# Altium PCB Ikea Environmental Sensor-Module.PcbDoc (part 1 of 2)
Units mm, origin at the board's own origin, x right, y up, seen from the top; angles counter-clockwise.
Board outline 20 x 74.75 mm, 4 copper layers (Top Layer, Mid Layer 1, Mid Layer 2, Bottom Layer), stack 1.57 mm thick; 89 components, 61 nets, 354 pads, 204 vias.
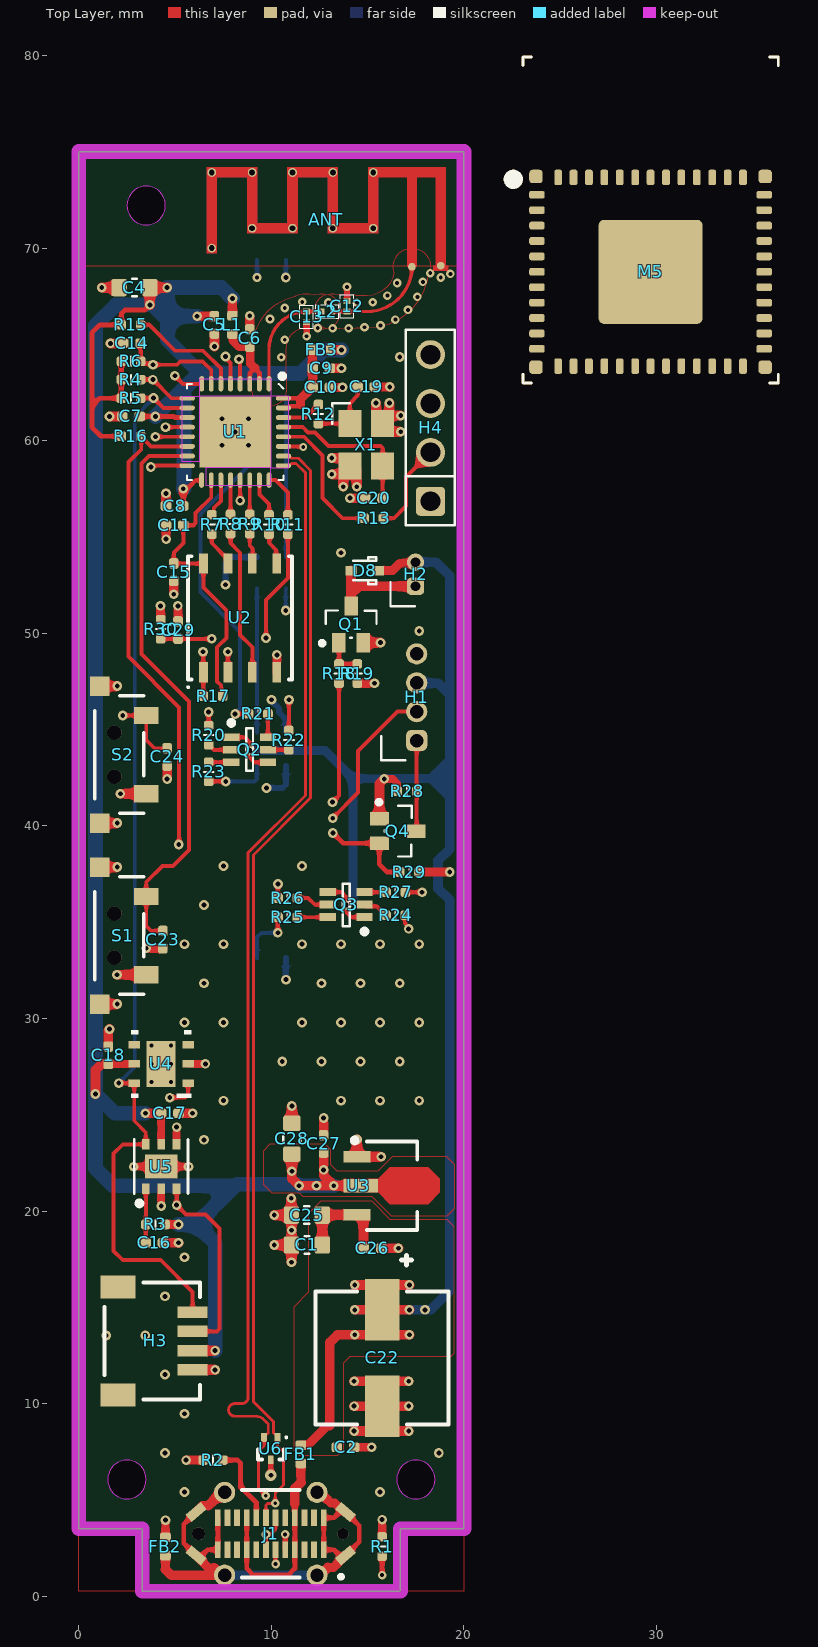
[diagram p0: Top Layer view]
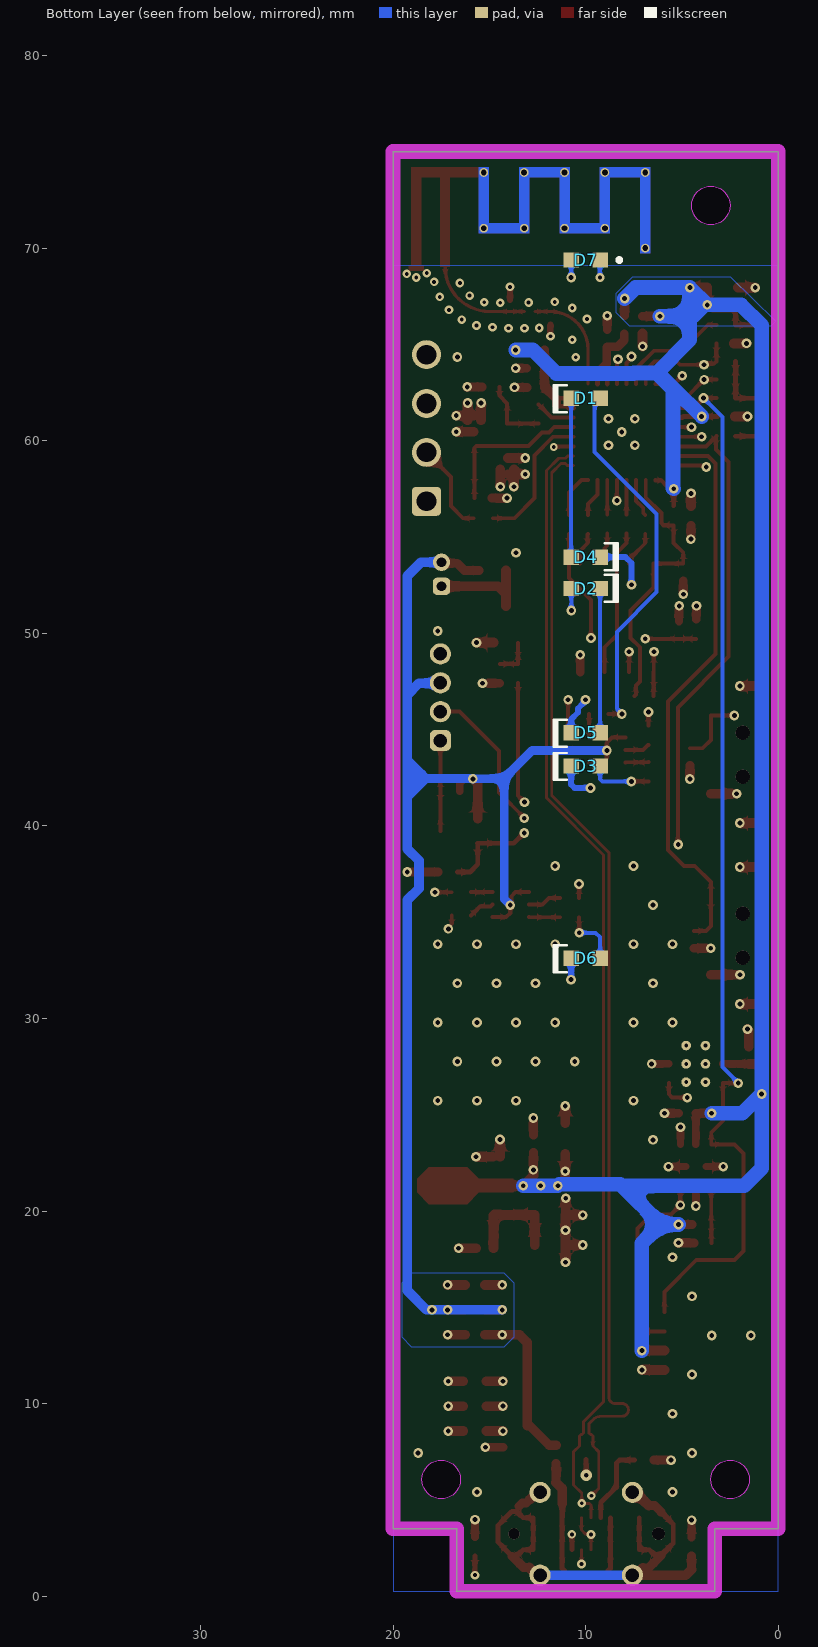
[diagram p1: Bottom Layer view, seen from below]
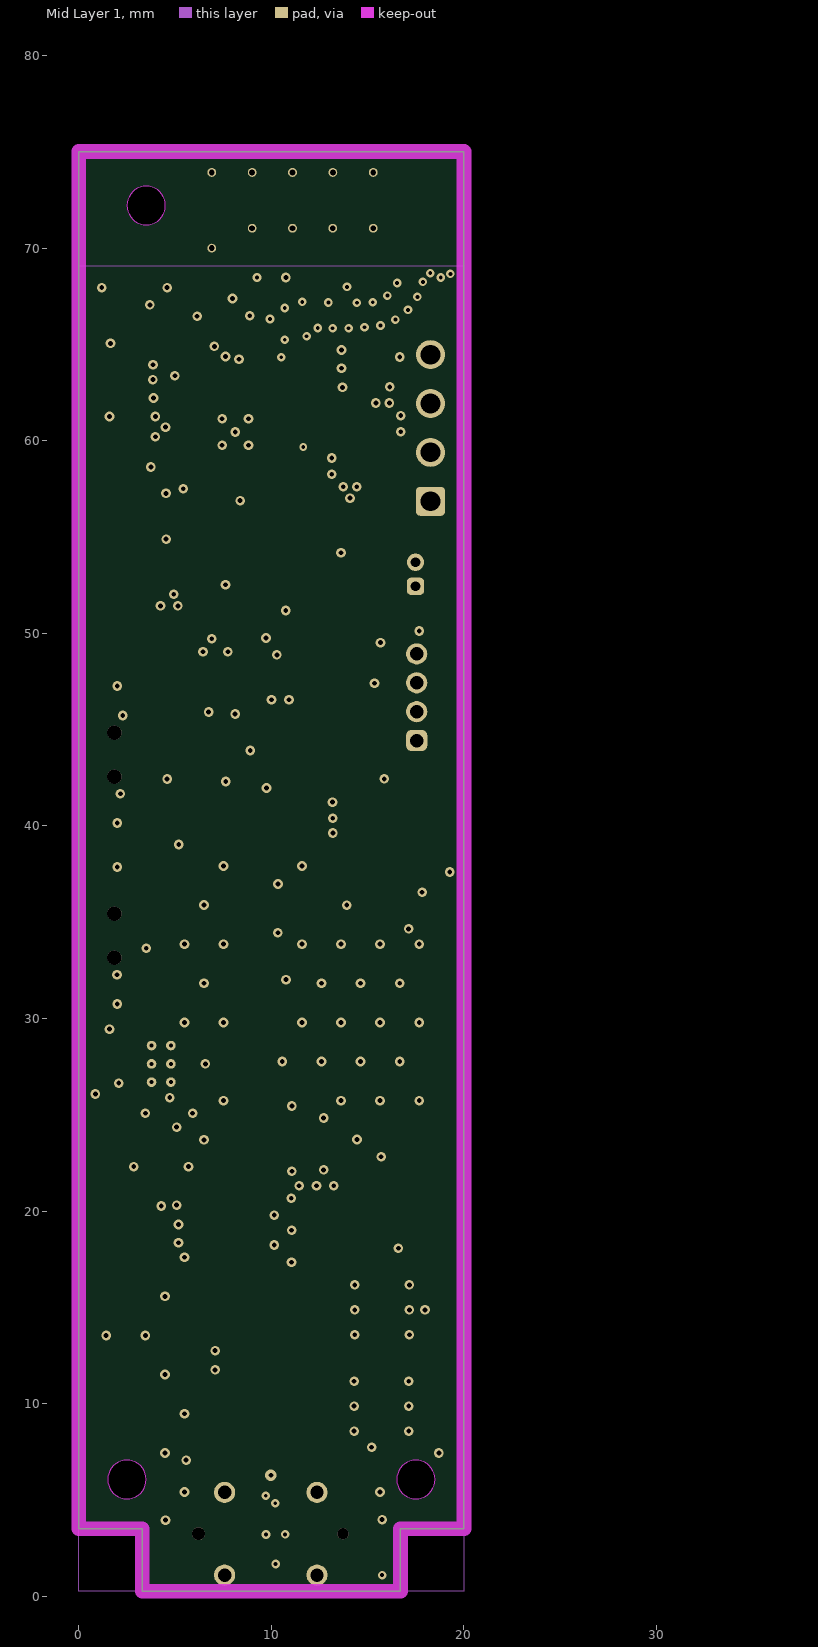
[diagram p2: Mid Layer 1]
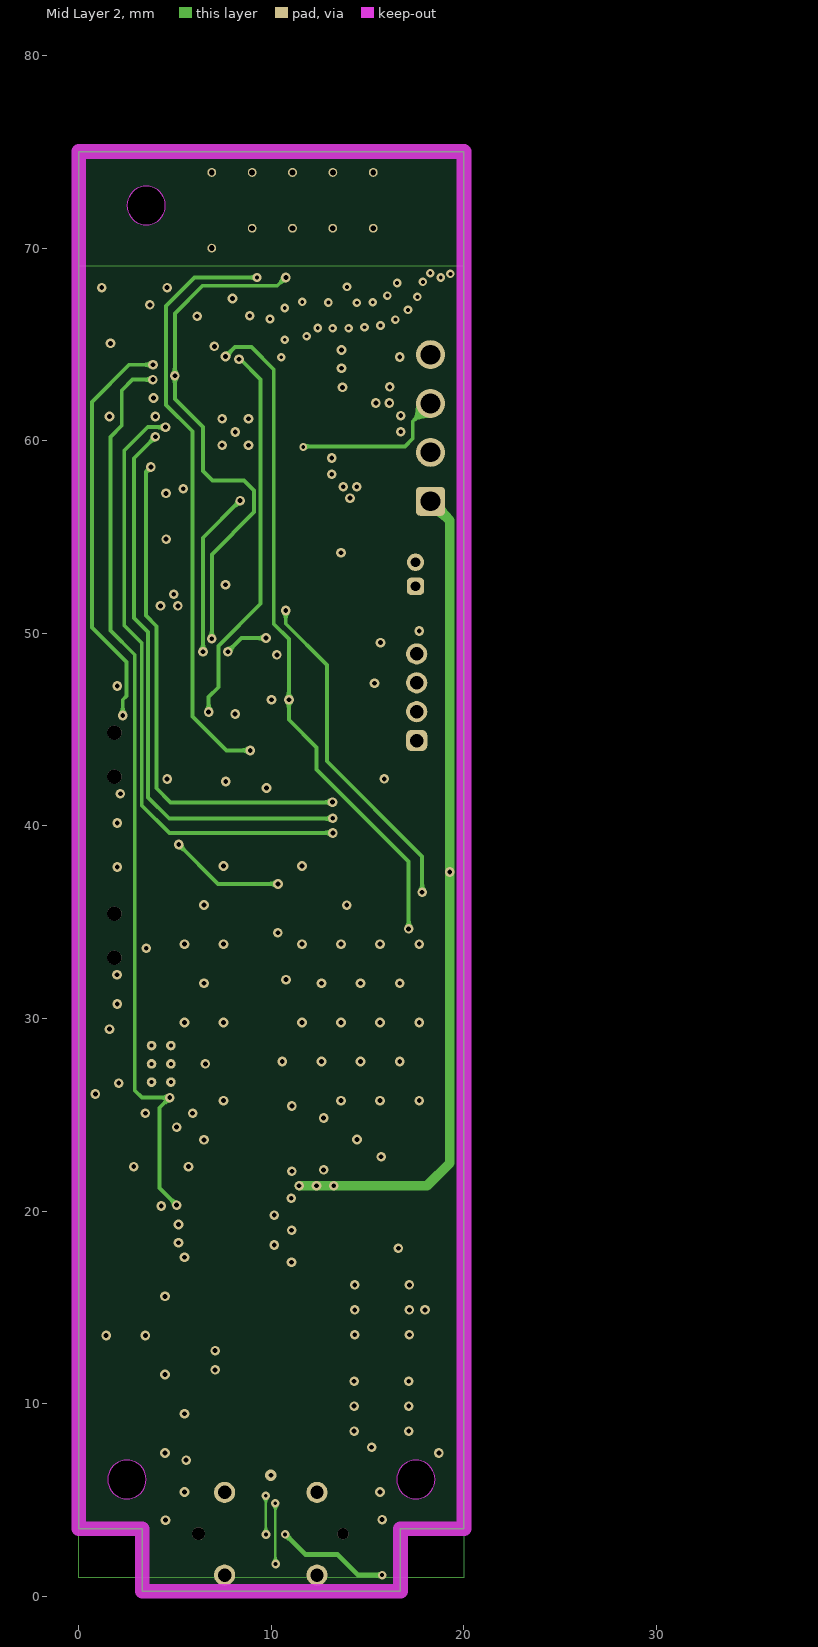
[diagram p3: Mid Layer 2]
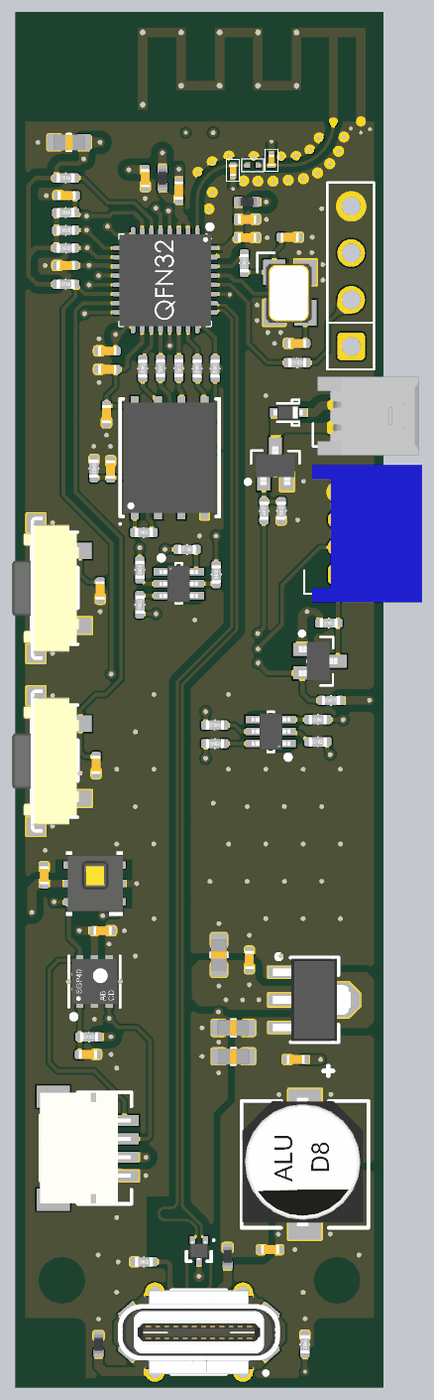
[diagram p5: 3D render of the assembled board from above, using the file's embedded part models]
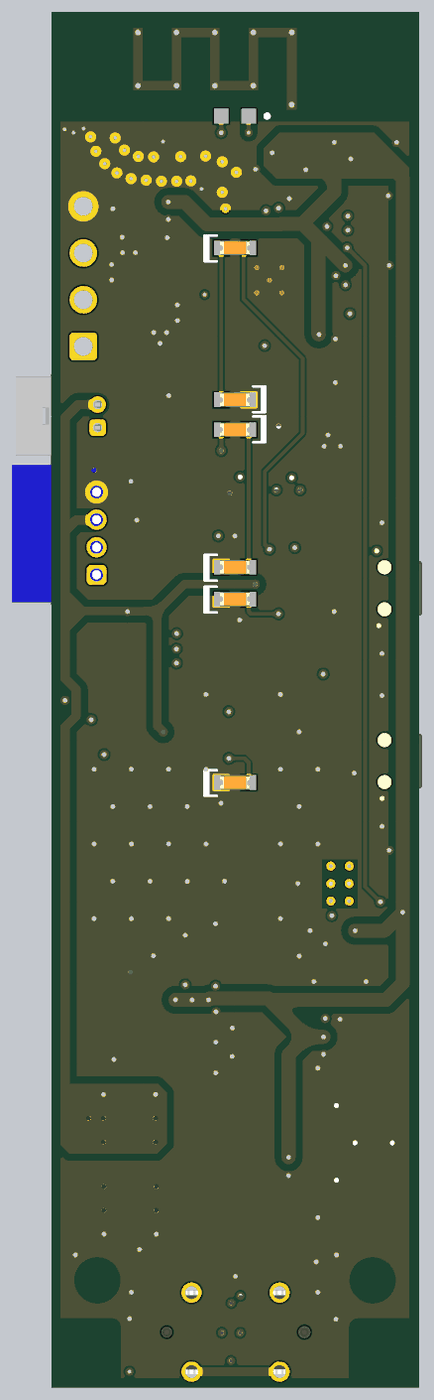
[diagram p6: 3D render of the assembled board from below, using the file's embedded part models]

## Layer stack, top to bottom
Top Solder: solder mask 0.0127, Solder Resist, Dk 3.8
Top Layer: signal copper 0.035
Dielectric 1: prepreg 0.1, 2313, Dk 4.05
Mid Layer 1: signal copper 0.0175
Core: core 1.265, FR-4, Dk 4.5
Mid Layer 2: signal copper 0.0175
Dielectric 2: prepreg 0.1, 2313, Dk 4.05
Bottom Layer: signal copper 0.035
Bottom Solder: solder mask 0.0127, Solder Resist, Dk 3.8

## Board outline
0,3.511 0,75.011 20,75.011 20,3.511 16.7,3.511 16.7,0.261 3.3,0.261 3.3,3.511
cut-out: 16.5,6.061 ccw(c17.5,6.061) 17.5,5.061 ccw(c17.5,6.061) 18.5,6.061 ccw(c17.5,6.061) 17.5,7.061 ccw(c17.5,6.061)
cut-out: 1.5,6.061 ccw(c2.5,6.061) 2.5,5.061 ccw(c2.5,6.061) 3.5,6.061 ccw(c2.5,6.061) 2.5,7.061 ccw(c2.5,6.061)
cut-out: 2.5,72.211 ccw(c3.5,72.211) 3.5,71.211 ccw(c3.5,72.211) 4.5,72.211 ccw(c3.5,72.211) 3.5,73.211 ccw(c3.5,72.211)

## Design rules (kind name [scope] priority, off if disabled: settings)
BoardOutlineClearance [All] p1: gap=0.254 ignorepadtopadclearanceinfootprint=FALSE
Clearance "Clearance Polygon" [InPolygon vs InPolygon or (IsTrack and InNet('3V3')) or (IsTrack and InNet('5V0'))or (IsTrack and InNetClass('USB'))] p1: gap=0.381 ignorepadtopadclearanceinfootprint=FALSE
Clearance "USB Connector to Keepout" [HasFootprint('USB_C_GCT_USB4070-30-C_REVC5') vs IsKeepOut] p2: gap=0 ignorepadtopadclearanceinfootprint=FALSE
Clearance "USB Routing" [InNetClass('All Nets')] p3: gap=0.102 ignorepadtopadclearanceinfootprint=FALSE
Clearance "USB Connector" [HasFootprint('USB_C_GCT_USB4070-30-C_REVC5')] p4: gap=0.127 ignorepadtopadclearanceinfootprint=FALSE
Clearance [All] p5: gap=0.102 ignorepadtopadclearanceinfootprint=FALSE except(0.127: Arc-Via Track-Via SMDPad-Via THPad-Via Via-Via Via-Fill Via-Poly Via-Region Via-Text; 0.203: Arc-Arc Arc-Track Arc-SMDPad Track-Track Track-SMDPad SMDPad-SMDPad; 0.25: Arc-Hole Track-Hole SMDPad-Hole THPad-Hole Via-Hole Fill-Hole Poly-Hole Region-Hole Text-Hole)
ComponentClearance [All] p1: gap=0.102 collisioncheckmode=3 verticalgap=0.102 showdistances=TRUE
DiffPairsRouting "USB Differential" [(InDifferentialPairClass('All Differential Pairs'))] p1: maxlimit=0.127 minlimit=0.127 mostfreqgap=0.127 toplayer_minwidth=0.149 toplayer_maxwidth=0.149 toplayer_prefwidth=0.149 midlayer1_minwidth=0.107 midlayer1_maxwidth=0.107 midlayer1_prefwidth=0.107 midlayer2_minwidth=0.107 midlayer2_maxwidth=0.127 midlayer2_prefwidth=0.107 bottomlayer_minwidth=0.149 bottomlayer_maxwidth=0.149 bottomlayer_prefwidth=0.149 impedanceprofiledriven=TRUE impedanceprofileid={052DC2B8-7B37-425E-85DA-72D2FE5DCA57} impedanceprofilevalue=90.000000 maxuncoupledlength=12.7 // USB Controlle3d Impedance Routing
Height [All] p1: minheight=0 maxheight=1816.048 prefheight=12.7
HoleSize [All] p1: absolutevalues=TRUE maxlimit=6.3 minlimit=0.2 maxpercent=80.000 minpercent=20.000
HoleToHoleClearance [All] p1: gap=0.25 allowstackedmicrovias=FALSE
MatchedLengths MatchLengths_USB [InDifferentialPair('USB')] p1: tolerance=2.54 checknetsindiffpair=FALSE checkdiffpairvsdiffpair=TRUE checkxsignals=TRUE checkothers=TRUE
MinimumAnnularRing [All] p1: minimumring=0.076
MinimumSolderMaskSliver [All] p1: minsoldermaskwidth=0
PlaneClearance [All] p1: clearance=0.254
PlaneConnect PlaneConnectPowerPads [InPadClass('PowerPads')] p1: planeconnectstyle=Direct reliefexpansion=0.508 reliefentries=4 reliefconductorwidth=0.254 reliefairgap=0.254
PlaneConnect [All] p2: pad.planeconnectstyle=Relief pad.reliefexpansion=0.3 pad.reliefentries=4 pad.reliefconductorwidth=0.102 pad.reliefairgap=0.102 via.planeconnectstyle=Direct via.reliefexpansion=0.3 via.reliefentries=4 via.reliefconductorwidth=0.127 via.reliefairgap=0.127
PolygonConnect PolygonConnectPowerPads [All vs (InNetClass('PowerPads') OR HasFootprint('XTAL_3.2MMX2.5MM'))] p1: connectstyle=Direct reliefconductorwidth=0.254 reliefentries=4 polygonreliefangle="90 Angle" airgapwidth=0.254
PolygonConnect [All] p2: thpad.connectstyle=Relief thpad.reliefconductorwidth=0.203 thpad.reliefentries=4 thpad.polygonreliefangle="90 Angle" thpad.airgapwidth=0.203 smdpad.connectstyle=Relief smdpad.reliefconductorwidth=0.203 smdpad.reliefentries=4 smdpad.polygonreliefangle="90 Angle" smdpad.airgapwidth=0.203 via.connectstyle=Direct via.reliefconductorwidth=0.127 via.reliefentries=4 via.polygonreliefangle="90 Angle" via.airgapwidth=0.127
RoutingVias [All] p1: holewidth=0.2 width=0.45 viastyle="Through Hole" minholewidth=0.2 minwidth=0.4 maxholewidth=6.3 maxwidth=6.55
SMDNeckDown [All] p1: percent=110.000
SilkToSilkClearance [All] p1: silktosilkclearance=0
SilkToSolderMaskClearance [IsPad] p1: minsilkscreentomaskgap=0.102 clearancetoexposedcopper=TRUE
SilkToSolderMaskClearance SilkscreenOverComponentPads [IsPad] p2: minsilkscreentomaskgap=0.254 clearancetoexposedcopper=TRUE
SolderMaskExpansion [All] p1: expansion=0.075 istentingtop=FALSE
Width Antenna [InNetClass('Antenna')] p1: maxlimit=0.172 minlimit=0.134 preferedwidth=0.172 toplayer_minwidth=0.172 midlayer1_maxwidth=0.134 midlayer1_prefwidth=0.134 midlayer2_maxwidth=0.134 midlayer2_prefwidth=0.134 bottomlayer_minwidth=0.172 impedanceprofiledriven=TRUE impedanceprofileid={1C1751A8-F60C-4631-8CDE-FE912252B8D5} impedanceprofilevalue=50.000000 minimp=50.000000 maximp=50.000000 favimp=50.000000 // 50Ohm Antenna Trace
Width [All] p2: maxlimit=1816.048 minlimit=0.102 preferedwidth=0.203
20 further rules are at their usual default settings.

## Classes and differential pairs
net class PowerPads: 3V3 5V0 GND VBUS VDD3P3 VDD_SPI VDDA
net class USB: USB_N USB_P
net class Antenna: LNA_IN NetANT_1
component class "Ikea Environmental Sensor": ANT C1 C2 C4 C5 C6 C7 C8 C9 C10 C11 C12 C13 C14 C15 C19 C20 C22 C23 C24 C25 C26 C27 C28 FB1 FB2 FB3 H4 J1 L1 L2 R1 R2 R6 R7 R8 R9 R10 R11 R12 R13 R15 R16 R17 S1 S2 U1 U2 U3 U6 X1
component class "Ikea Environmental Sensors": C16 C17 C18 C29 D1 D2 D3 D4 D5 D6 D7 D8 H1 H2 H3 Q1 Q2 Q3 Q4 R3 R4 R5 R18 R19 R20 R21 R22 R23 R24 R25 R26 R27 R28 R29 R30 U4 U5
differential pair USB: +USB_P -USB_N

## Components (designator, comment, footprint, x,y, rotation, side; value= is the part's Value field where it differs from the comment)
ANT "PCB Antenna" "MINI-ANT-TYPED-H - FLIPPED" 6.257,74.493 r0 top net-tie value="Chip Antenna"
C1 "10u" 0603X90 11.846,18.239 r180 top
C2 "100n" C_0402_N 13.848,7.731 r0 top
C4 "10u" 0603X90 2.89,67.949 r180 top
C5 "100n" C_0402_N 7.042,66.01 r270 top
C6 "100n" C_0402_N 8.878,65.327 r90 top
C7 "100n" C_0402_N 2.71,61.257 r180 top
C8 "100n" C_0402_N 4.978,56.608 r180 top
C9 "10n" C_0402_N 12.59,63.765 r0 top
C10 "1u" C_0402_N 12.59,62.764 r0 top
C11 "1u" C_0402_N 4.978,55.605 r180 top
C12 "100n" C_0201 13.924,66.978 r90 top
C13 "100n" C_0201 11.828,66.428 r270 top
C14 "1u" C_0402_N 2.759,65.052 r180 top
C15 "100n" C_0402_N 4.933,53.17 r270 top
C16 "1u" C_0402_N 3.92,18.346 r0 top
C17 "1u" C_0402_N 4.727,25.078 r0 top
C18 "100n" C_0402_N 1.535,28.091 r90 top
C19 "15p" C_0402_N 14.923,62.791 r0 top
C20 "15p" C_0402_N 15.318,57.018 r180 top
C22 "100uF, 35V" CAP_6.6X6.6 15.748,12.37 r270 top value=100uF
C23 "100n" C_0402_N 4.367,34.094 r270 top
C24 "100n" C_0402_N 4.587,43.58 r270 top
C25 "10u" 0603X90 11.843,19.788 r180 top
C26 "100n" C_0402_N 15.248,18.071 r0 top
C27 "100n" C_0402_N 12.713,23.484 r90 top
C28 "10u" 0603X90 11.062,23.759 r90 top
C29 "1u" C_0402_N 5.153,50.161 r90 top
D1 "0603 Red" D_0603 10,62.205 r0 bottom
D2 "0603 Orange" D_0603 10,52.324 r180 bottom
D3 "0603 Green" D_0603 10,43.107 r0 bottom
D4 "0603 Red" D_0603 10,53.953 r180 bottom
D5 "0603 Orange" D_0603 10,44.842 r0 bottom
D6 "0603 Green" D_0603 10,33.132 r0 bottom
D7 "Light Sensor" XDCR_ALS-PT19-315C/L177/TR8 10,69.38 r0 bottom
D8 "1N4148" SOD-523 14.835,53.254 r180 top value=1N4148WT
FB1 "300R" FB_0402-NIC 11.532,7.369 r270 top
FB2 "300R" FB_0402-NIC 4.5,2.58 r270 top
FB3 "300R" FB_0402-NIC 12.603,64.715 r0 top
H1 "PM1006" HDR1x4_1.5mm_RA_TH 17.544,46.68 r270 top
H2 "PM Fan" HDR1x2_1.25mm_RA_TH 17.484,53.063 r270 top
H3 "QWiiC" "JST SM04B-SRSS-TB" 3.876,13.253 r90 top
H4 "Prog" HDR1X4 18.265,56.85 r90 top
J1 "USB4070-30-C" USB_C_GCT_USB4070-30-C_REVC5 9.968,3.244 r180 top
L1 "2.0nH" FB_0402-NIC 7.978,66.01 r270 top
L2 "2.0nH" L_0201 12.901,66.703 r180 top
M5 "Comment" ESP32-C3-MINI-1 29.688,68.768 r0 top
Q1 "BSS138W-7-F" SOT323 14.136,50.473 r90 top
Q2 "BC857BS" SOT363_N 8.871,43.947 r0 top
Q3 "BC857BS" SOT363_N 13.881,35.914 r180 top
Q4 "BSS138" SOT323 16.575,39.731 r0 top
R1 "5k10" R_0402-N 15.748,2.581 r270 top value=5.10k
R2 "5k10" R_0402-N 6.968,7.069 r0 top value=5.10k
R3 "4R7" R_0402-N 3.979,19.304 r0 top
R4 "2k20" R_0402-N 2.71,63.173 r0 top value=2.2k
R5 "2k20" R_0402-N 2.71,62.205 r0 top value=2.2k
R6 "10k0" R_0402-N 2.709,64.12 r180 top value=10k
R7 "33R0" R_0402-N 6.906,55.647 r270 top value=33
R8 "33R0" R_0402-N 7.878,55.672 r270 top value=33
R9 "33R0" R_0402-N 8.878,55.671 r270 top value=33
R10 "33R0" R_0402-N 9.878,55.647 r270 top value=33
R11 "33R0" R_0402-N 10.858,55.646 r270 top value=33
R12 "0R" R_0402-N 12.443,61.382 r270 top
R13 "499R" R_0402-N 15.318,55.972 r0 top value=499
R15 "10k0" R_0402-N 2.71,66.01 r180 top value=10k
R16 "10k0" R_0402-N 2.71,60.232 r180 top value=10k
R17 "10k0" R_0402-N 6.97,46.736 r0 top value=10k
R18 "2k20" R_0402-N 13.512,47.909 r90 top value=2.2k
R19 "10k0" R_0402-N 14.459,47.909 r90 top value=10k
R20 "2k20" R_0402-N 6.742,44.707 r90 top value=2.2k
R21 "499R" R_0402-N 9.321,45.814 r0 top value=499
R22 "2k20" R_0402-N 10.906,44.449 r90 top value=2.2k
R23 "499R" R_0402-N 6.742,42.807 r90 top value=499
R24 "2k20" R_0402-N 16.451,35.353 r0 top value=2.2k
R25 "499R" R_0402-N 10.841,35.249 r0 top value=499
R26 "2k20" R_0402-N 10.841,36.254 r180 top value=2.2k
R27 "499R" R_0402-N 16.451,36.554 r180 top value=499
R28 "10k0" R_0402-N 17.044,41.803 r180 top value=10k
R29 "10k0" R_0402-N 17.168,37.603 r0 top value=10k
R30 "10k0" R_0402-N 4.255,50.211 r270 top value=10k
S1 "BOOT" SW_122514 2.992,34.301 r270 top value="Button R/A"
S2 "RESET" SW_122514 2.992,43.699 r270 top value="Button R/A"
U1 "ESP32-C3" QFN-32_5X5 8.128,60.452 r270 top
U2 "W25Q128JVPIQ" WSON_8 8.378,50.8 r90 top
U3 "AZ1117CR-3.3" SOT89-150P410X160-3N 16.248,21.315 r0 top
U4 "HDC1080DMBR" DMB0006A 4.278,27.641 r180 top
U5 "SGP40-D-R4" SGP40_SEN-M 4.277,22.309 r90 top
U6 "TPD2EUSB30A" DRT3 9.972,7.669 r180 top
X1 "40.0MHz" XTAL_3.2MMX2.5MM 14.928,59.782 r270 top
